# Altium PCB MiroCard.PcbDoc (part 2 of 2)
Units mm, origin at the board's own origin, x right, y up, seen from the top; angles counter-clockwise.
Board outline 65.5 x 35.8 mm, 4 copper layers (Top Layer, GND1, GND2, Bottom Layer), stack 0.552 mm thick; 115 components, 75 nets, 402 pads, 778 vias.
Unrouted connection lines stored in the file: 3.
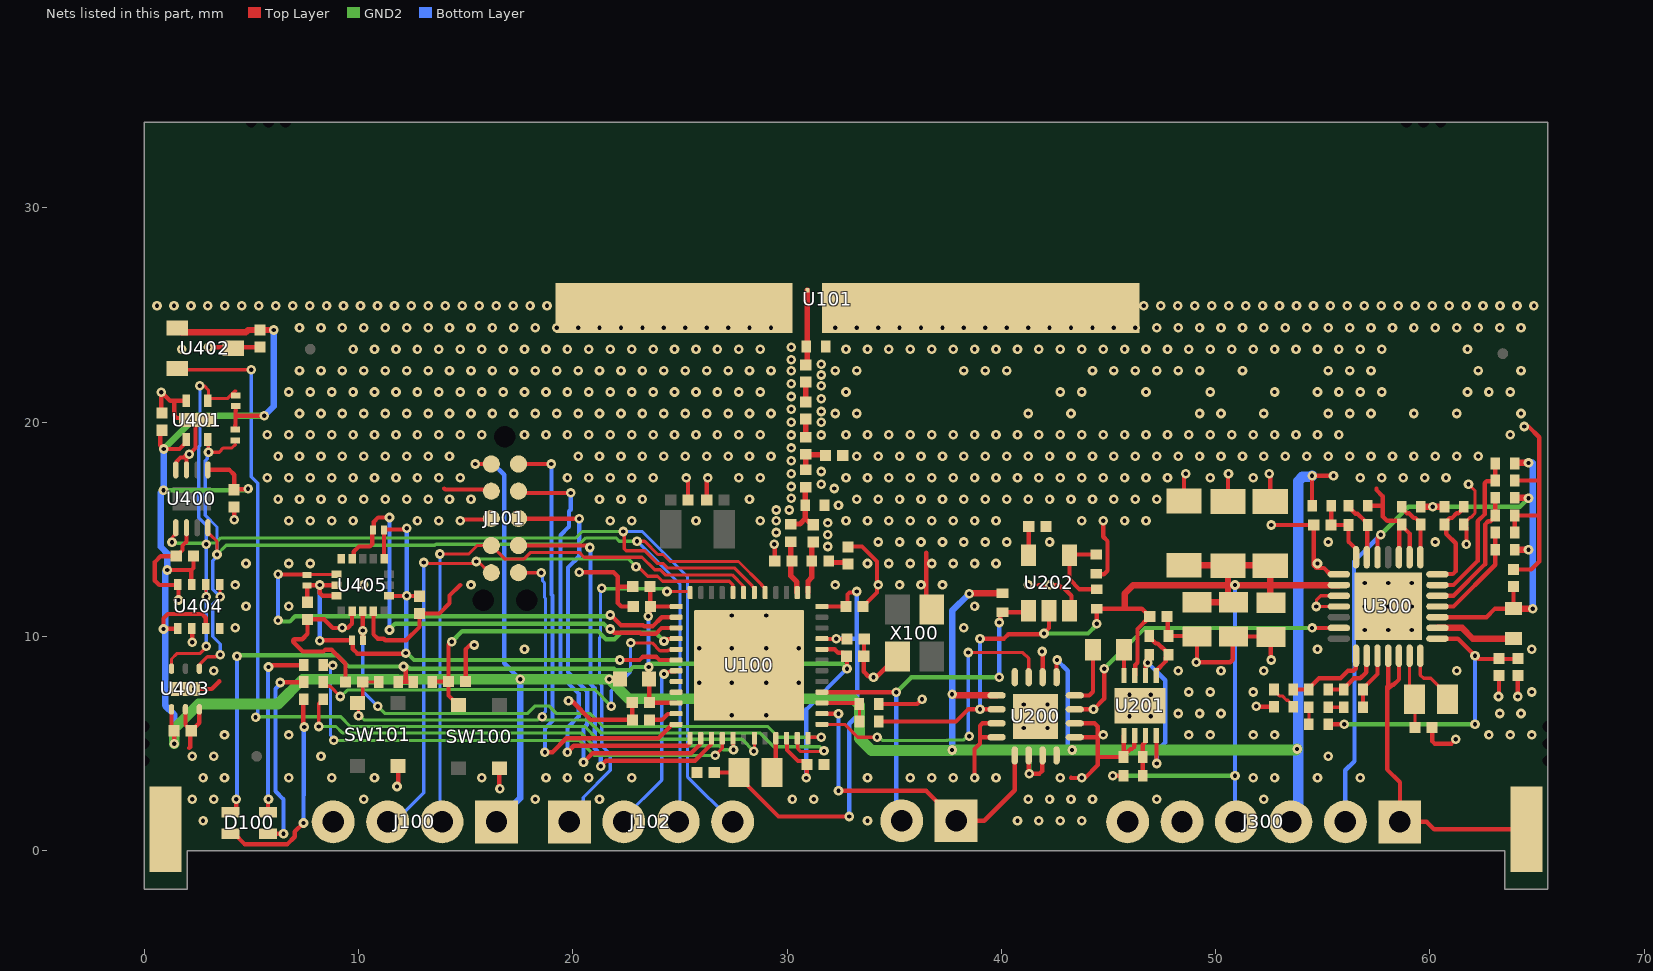
[diagram p4: the nets of this part, all layers, seen from the top]

## Via types
v1: diameter 0.45, hole 0.2, Top Layer to Bottom Layer, tented both sides, 747 vias
v2: diameter 0.5, hole 0.2, Top Layer to Bottom Layer, 31 vias

## Nets (pads, with @x,y where several pads share a name; then routed paths per layer and width w, separated by ;. In a path a pad name is that pad's centre, name@x,y a point inside that pad or via, vN(x,y) a via of type N, cw(c..) or ccw(c..) an arc to the next point about the centre after c; other vN are vias at no path point) (continued)
+2.5V_LDO: C400.1 C401.1 C402.1 C403.1 C404.1 FB100.1 J100.1 J101.1 J300.3 R201.1 R301.1 R400.1 R401.1 U200.2 U200.3 U200.9 U200.13 U400.5 U401.1 U402.1 U403.1 U404.2 U404.6 U404.8 | length 162.7
  Top Layer w0.2: C402.1@0.825,19.625 0.748,19.548 0.748,18.92 v1(0.918,18.75) 1.65,18.75 1.975,19.075 U401.1@1.975,19.2 ; v1(1.082,13.1) 2.2,13.1 ; U403.1@1.275,6.6 1.275,5.675 1.4,5.55 v1(1.4,5) ; U404.8@1.575,10.375 1.563,10.363 0.913,10.363 v1(0.9,10.35) 0.9,10.85 1.1,11.05 2.7,11.05 2.875,10.875 U404.6@2.875,10.375 ; U404.2@2.225,12.425 2.2,12.45 2.2,13.1 ; C404.1@2.3,13.75 2.3,13.2 2.2,13.1 ; U400.5@2.975,17.775 3.975,17.775 4.2,17.55 C400.1@4.2,16.85 4.225,16.875 4.825,16.875 v1(4.85,16.9) ; 4.25,19.85 4.263,19.863 4.263,20.2 ; 4.275,20.55 4.263,20.537 4.263,20.2 ; v1(5.6,20.3) 4.363,20.3 4.263,20.2 ; v1(15.45,18.05) J101.1@16.199,18.05 ; v1(21.7,8) 22.197,8 FB100.1@22.206,8.009 ; U200.2@41.275,4.45 41.275,3.725 41.3,3.7 v1(41.3,3.6) 41.783,3.6 41.908,3.725 41.908,4.433 U200.3@41.925,4.45 ; U200.9@42.575,8.1 42.575,8.875 v1(42.6,8.9) ; R301.1@54.5,16.1 v1(54.5,17.5) v1(55.5,17.5) v1@55.55,17.5
  Top Layer w0.3: U402.1@1.55,24.4 1.75,24.2 4.75,24.2 4.85,24.3 C401.1@5.4,24.3 v1(6.05,24.3) ; v1(37.7,7.3) 37.741,7.3 37.791,7.25 U200.13@39.775,7.25 ; v1(38.5,12) 38.512,12.012 40.038,12.012 R201.1@40.05,12.025
  GND2 w0.2: v1(0.9,16.825) 4.775,16.825 v1(4.85,16.9) ; v1(41.3,3.6) 41.3,4.7
  GND2 w0.3: v1(0.918,18.75) 2.468,20.3 v1(5.6,20.3)
  GND2 w0.5: v1(1.4,5) 1.4,5.7 2.55,6.85 6.25,6.85 7.4,8 11.816,8 11.841,7.975 12.359,7.975 12.384,8 v1(17.55,8) v1(21.7,8) 22.6,7.1 33.081,7.1 33.381,6.8 33.381,5.235 33.941,4.675 34.5,4.675 37.675,4.675 v1(37.7,4.7) 41.3,4.7 v1(43.3,4.7) 53.75,4.7 v1(53.8,4.75)
  Bottom Layer w0.2: v1(15.45,18.05) 16.3,18.05 16.8,17.55 16.8,8.75 v1(17.55,8) ; v1(42.6,8.9) 43.1,8.4 43.1,4.817 43.217,4.7 v1(43.3,4.7)
  Bottom Layer w0.3: v1(0.918,18.75) 0.909,18.741 0.909,16.834 0.775,16.7 0.775,14.183 1.082,13.875 v1(1.082,13.1) 0.975,12.993 0.975,10.35 0.975,6.783 1.4,6.358 v1(1.4,5) ; v1(5.6,20.3) 6.05,20.75 v1(6.05,24.3) ; J100.1@16.44,1.35 17.55,2.46 v1(17.55,8) ; v1(37.7,4.7) v1(37.7,7.3) 37.7,11.2 v1(38.5,12)
  Bottom Layer w0.5: J300.3@53.51,1.35 53.85,1.69 53.85,17.25 54.052,17.452 54.452,17.452 v1(54.5,17.5)
BOOST: C302.1 C303.1 R300.1 U300.1 | length 14.2
  Top Layer w0.2: R300.1@55.25,5.9 v1(56,5.9) ; U300.1@60.35,9.9 61.3,9.9 v1(62.1,9.1) 62.25,8.95 63.225,8.95 64.075,8.95 C303.1@64.1,8.975
  GND2 w0.2: v1(56,5.9) v1(62.1,5.9)
  Bottom Layer w0.2: v1(62.1,5.9) v1(62.1,9.1)
BUTTON: C115.1 R105.2 SW100.2 U100.16 | length 15.2
  Top Layer w0.2: R105.2@13.45,7.875 13.475,7.9 C115.1@14.2,7.9 ; v1(14.35,9.753) 14.317,9.753 14.2,9.636 C115.1@14.2,7.9 ; SW100.2@14.675,6.8 14.65,6.8 14.2,7.25 C115.1@14.2,7.9 ; v1(24.254,9.785) 24.322,9.785 24.417,9.88 24.805,9.88 U100.16@24.825,9.9
  GND2 w0.2: v1(14.35,9.753) 14.847,10.25 21.178,10.25 21.553,9.875 21.947,9.875 22.247,10.175 23.864,10.175 v1(24.254,9.785)
COMP0: J200.1 U100.38 U200.1 | length 15.4
  Top Layer w0.2: U100.38@31.625,6.4 v1(32.4,6.4) ; v1(32.4,2.8) 36.49,2.8 J200.1@37.89,1.4 39.2,1.4 40.625,2.825 U200.1@40.625,4.45
  Bottom Layer w0.2: v1(32.4,2.8) v1(32.4,6.4)
COMP1: J200.2 R201.2 U100.40 U202.1 | length 19
  Top Layer w0.2: U100.40@31.625,7.4 v1(35.1,7.4) ; v1(39.9,10.65) 39.948,10.698 39.948,11.023 R201.2@40.05,11.125 41.2,11.125 U202.1@41.275,11.2
  GND2 w0.2: v1(35.1,7.4) 35.8,8.1 v1(39.9,8.1)
  Bottom Layer w0.2: v1(35.1,7.4) 35.1,1.65 J200.2@35.35,1.4 ; v1(39.9,8.1) v1(39.9,10.65)
DCDC_SW: L100.1 U100.33 | length 1.7
  Top Layer w0.2: L100.1@29.295,3.65 29.475,3.83 U100.33@29.475,5.25
GND: C100.2 C101.2 C102.2 C103.2 C104.2 C105.2 C106.2 C107.2 C108.2 C112.2 C113.2 C114.2 C115.2 C116.2 C117.2 C118.2 C200.1 C201.1 C202.1 C203.2 C204.2 C205.2 C206.2 C207.2 C300.2 C301.2 C302.2 C303.2 C304.2 C400.2 C401.2 C402.2 C403.2 C404.2 C405.2 C406.2 J100.4 J101.2 J101.3 J300.5 J300.6 R100.2 R101.2 R107.2 R205.2 R206.2 R207.2 R304.2 R309.2 R310.2 R316.2 R317.2 R318.2 R319.2 SW100.3 SW101.3 U1.2 U100.49 U101.2 U101.3 U200.4 U200.5 U200.6 U200.10 U200.12 U200.15 U200.16 U200.17 U201.1 U201.2 U201.9 U202.3 U300.9 U300.10 U300.15 U300.17 U300.18 U300.29 U400.2 U400.7 U400.8 U401.4 U402.3 U403.2 U403.3 U403.7 U404.1 U404.5 U404.7 U405.5 U405.10 U405.12 X100.2 X100.4 | length 134.8
  Top Layer w0.15: U300.18@55.75,11.4 v1(54.7,11.4) 54.7,11.7 54.9,11.9 U300.17@55.75,11.9 ; R310.2@61.575,15.225 61.575,15.275 61.85,15.55 61.893,15.55 62.1,15.757 62.1,16.8 v1(61.8,17.1)
  Top Layer w0.2: C402.2@0.825,20.425 0.8,20.45 v1(0.8,21.4) 0.813,21.4 1.213,21 1.4,21 ; U400.8@1.475,17.775 1.485,17.785 1.485,18.133 1.701,18.349 1.849,18.349 v1@1.964,18.464 ; v1(1.6,11.7) 1.6,12.4 U404.1@1.575,12.425 1.55,12.4 0.7,12.4 0.5,12.6 0.5,13.472 0.778,13.75 C404.2@1.5,13.75 1.79,14.04 1.79,14.24 1.975,14.425 U400.2@1.975,15.075 ; U403.2@1.925,6.6 1.925,5.875 C403.2@2.2,5.6 ; U403.7@1.925,7.55 v2(2.325,7.55) 3.15,7.55 3.5,7.9 3.5,7.907 ; U400.7@1.975,17.775 1.975,18.453 v1@1.964,18.464 ; U401.4@1.975,21 1.4,21 ; v1@2.079,18.579 v1@1.964,18.464 ; 2.1,4.8 2.148,4.848 2.148,5.548 C403.2@2.2,5.6 ; v1(2.1,18.5) 2.104,18.5 2.4,18.796 2.4,20.025 U401.4@2.475,20.1 2.375,20.2 1.517,20.2 1.4,20.317 1.4,21 ; U404.7@2.225,10.375 2.238,10.362 2.238,9.737 v1(2.25,9.725) ; U403.3@2.575,6.6 2.575,5.975 C403.2@2.2,5.6 ; v1(3,23.5) 4.1,23.5 U402.3@4.15,23.45 4.2,23.5 C401.2@5.4,23.5 ; v1(4.2,15.45) C400.2@4.2,16.05 ; C118.2@9.4,7.875 9.4,8.725 8.75,9.375 8.447,9.375 8.372,9.3 7.4,9.3 7,9.7 7,9.707 6.948,9.76 6.948,9.823 7,9.875 7.375,9.875 7.625,10.125 C406.2@7.625,10.8 8.4,10.8 8.8,10.4 9.5,10.4 9.7,10.6 U405.10@9.7,11.175 ; U405.12@10.7,11.175 10.7,10.1 10.9,9.9 11.178,9.9 11.253,9.825 12.225,9.825 12.85,10.45 C405.2@12.85,11.075 13.775,11.075 14.251,11.551 14.251,11.908 14.75,12.407 ; v1(11.8,3) 11.85,3.05 SW101.3@11.85,3.95 ; 14,16.907 14.048,16.859 16.12,16.859 J101.2@16.199,16.78 ; v1(14.75,15.407) 14.798,15.455 16.144,15.455 J101.3@16.199,15.51 ; C115.2@15,7.9 15,9.4 15.2,9.6 v1(15.4,9.6) ; SW100.3@16.575,3.85 16.575,2.925 v1(16.6,2.9) ; v1(19.8,7) 19.95,7 20.841,6.109 C114.2@22.781,6.109 22.778,6.112 22.778,6.922 C100.2@22.775,6.925 ; v1(20.3,13) 21.9,13 22.1,12.8 22.1,12.4 ; C104.2@22.8,12.325 22.175,12.325 22.1,12.4 ; C103.2@22.825,11.4 22.265,11.4 22.1,11.565 22.1,12.4 ; v1(25.3,17.4) 25.375,17.325 C117.2@25.375,16.375 ; C116.2@26.25,16.375 26.25,17.35 v1(26.3,17.4) ; v1(29.4,14.3) 29.425,14.275 C113.2@29.425,13.525 ; C108.2@32.85,14.175 32.875,14.2 33.5,14.2 34.2,13.5 34.2,12.05 C107.2@33.55,11.4 ; C106.2@33.6,9.875 33.587,9.862 33.587,9.087 C102.2@33.575,9.075 33.575,8.359 33.786,8.148 33.985,8.148 v1(34.032,8.1) 34.164,8.1 35.139,9.075 X100.2@35.156,9.059 ; R107.2@34.273,6.85 36.075,6.85 v1(36.3,7.075) ; 36.5,13.907 36.5,11.514 X100.4@36.756,11.259 ; v1(38.75,3.407) 38.75,4.75 39,5 39,5.3 ; U200.16@39.775,5.3 39,5.3 ; U200.15@39.775,5.95 39.117,5.95 39,5.833 39,5.3 ; 41.75,12.407 42.693,12.407 42.8,12.3 42.875,12.3 43.275,11.9 43.275,11.3 U202.3@43.175,11.2 ; v1(41.9,9.3) 41.925,9.275 U200.10@41.925,8.1 ; 43.25,3.407 43.257,3.4 43.9,3.4 44.5,4 44.5,4.4 ; U200.5@43.425,5.3 44.5,5.3 ; U200.6@43.425,5.95 44.35,5.95 44.5,5.8 44.5,5.3 ; R207.2@44.425,12.925 44.45,12.9 44.783,12.9 44.95,13.067 44.95,14.45 44.75,14.65 v1(44.75,15.407) ; U201.1@45.725,5.375 45.712,5.362 R205.2@45.712,4.437 ; U201.2@46.225,5.375 46.2,5.35 46.2,4.85 46.1,4.75 46.025,4.75 R205.2@45.712,4.437 ; C206.2@47.725,10.925 47.763,10.887 47.763,10.062 R206.2@47.8,10.025 49.1,10.025 C205.2@49.125,10 49.125,8.825 v1(49.1,8.8) 50.683,8.8 50.8,8.917 50.8,9.975 C204.2@50.825,10 52.55,10 C203.2@52.575,9.975 52.575,8.925 v1(52.6,8.9) ; C200.1@48.525,16.325 48.525,17.525 v1(48.6,17.6) ; C201.1@50.575,16.3 50.575,17.475 50.6,17.5 v1(50.6,17.6) ; v1(51.9,6.75) 51.925,6.725 R319.2@52.725,6.725 ; v1(52.5,17.6) 52.55,17.55 C202.1@52.55,16.3 ; v1(52.6,15.2) C300.2@54.575,15.2 54.575,13.325 54.7,13.2 55.048,13.2 55.348,12.9 U300.15@55.75,12.9 ; R304.2@57.1,16.1 57.8,16.1 ; 57.5,16.907 57.5,16.839 57.8,16.539 57.8,16.1 ; U300.10@58.55,13.7 58.569,13.719 58.569,15.119 R309.2@58.675,15.225 ; U300.9@59.05,13.7 59.05,14.8 58.675,15.175 R309.2@58.675,15.225 ; C301.2@60.1,5.75 60.1,5.117 60.217,5 61,5 v1(61.2,5.2) ; R310.2@61.575,15.225 61.7,15.1 v1(61.7,14.3) ; v1(63.2,7.2) 63.225,7.225 C302.2@63.225,8.175 ; C304.2@63.9,13.125 64.725,13.125 65.1,13.5 65.1,17.3 ; R318.2@63.95,14.85 R317.2@63.95,15.65 65.1,15.65 ; R316.2@63.95,17.275 65.075,17.275 65.1,17.3 ; v1(64.1,7.2) C303.2@64.1,8.175 ; v1(64.4,19.8) 64.6,19.8 65.1,19.3 65.1,17.3 ; 44.5,4.4 44.5,5.3 ; 44.5,4.4 44.525,4.375 R205.2@45.7,4.375 45.7,4.425 R205.2@45.712,4.437 ; 57.8,16.1 57.8,15.6 58,15.4 58.5,15.4 58.55,15.4 58.675,15.275 R309.2@58.675,15.225
  other v1: 2.75,1.407 33.75,1.407 40.75,1.407 41.75,1.407 42.75,1.407 43.75,1.407 2.25,2.407 3.25,2.407 10.25,2.407 18.25,2.407 21.25,2.407 30.25,2.407 31.25,2.407 41.25,2.407 42.25,2.407 43.25,2.407 44.25,2.407 47.25,2.407 52.25,2.407 2.75,3.407 3.75,3.407 6.75,3.407 8.75,3.407 10.75,3.407 15.75,3.407 18.75,3.407 19.75,3.407 20.75,3.407 22.75,3.407 33.75,3.407 35.75,3.407 36.75,3.407 37.75,3.407 39.75,3.407 42.75,3.407 43.75,3.407 51.75,3.407 52.75,3.407 54.75,3.407 56.75,3.407 2.25,4.407 3.25,4.407 8.25,4.407 55.25,4.407 3.75,5.407 6.75,5.407 44.75,5.407 48.75,5.407 49.75,5.407 51.75,5.407 52.75,5.407 62.75,5.407 63.75,5.407 64.75,5.407 48.25,6.407 49.25,6.407 50.25,6.407 63.25,6.407 64.25,6.407 48.75,7.407 49.75,7.407 51.75,7.407 64.75,7.407 3.25,8.407 48.25,8.407 50.25,8.407 52.25,8.407 61.25,8.407 17.75,9.407 54.75,9.407 64.75,9.407 4.25,10.407 9.25,10.407 38.25,10.407 4.75,11.407 6.75,11.407 38.75,11.407 4.25,12.407 10.25,12.407 15.25,12.407 32.25,12.407 34.25,12.407 35.25,12.407 36.25,12.407 37.25,12.407 41.25,12.407 42.25,12.407 4.75,13.407 6.75,13.407 7.75,13.407 33.75,13.407 34.75,13.407 35.75,13.407 36.75,13.407 37.75,13.407 38.75,13.407 39.75,13.407 54.75,13.407 31.9,14.2 34.25,14.407 35.25,14.407 36.25,14.407 37.25,14.407 38.25,14.407 39.25,14.407 40.25,14.407 42.25,14.407 55.25,14.407 60.25,14.407 31.9,14.75 29.5,14.85 31.9,15.3 6.75,15.407 7.75,15.407 8.75,15.407 9.75,15.407 12.75,15.407 13.75,15.407 21.75,15.407 22.75,15.407 25.75,15.407 28.75,15.407 29.5,15.4 32.75,15.407 33.75,15.407 34.75,15.407 35.75,15.407 36.75,15.407 37.75,15.407 38.75,15.407 39.75,15.407 43.75,15.407 45.75,15.407 46.75,15.407 29.5,15.9 30.1,15.9 32.4,16.125 6.25,16.407 7.25,16.407 8.25,16.407 9.25,16.407 10.25,16.407 11.25,16.407 12.25,16.407 13.25,16.407 14.25,16.407 15.25,16.407 21.25,16.407 22.25,16.407 23.25,16.407 28.25,16.407 33.25,16.407 34.25,16.407 35.25,16.407 36.25,16.407 37.25,16.407 38.25,16.407 39.25,16.407 40.25,16.407 41.25,16.407 42.25,16.407 43.25,16.407 44.25,16.407 45.25,16.407 46.25,16.407 47.25,16.407 30.2,16.45 32.2,16.907 30.2,17 31.6,17.1 5.75,17.407 6.75,17.407 7.75,17.407 8.75,17.407 9.75,17.407 10.75,17.407 11.75,17.407 12.75,17.407 13.75,17.407 14.75,17.407 19.75,17.407 20.75,17.407 21.75,17.407 22.75,17.407 23.75,17.407 27.75,17.407 28.75,17.407 32.75,17.407 33.75,17.407 34.75,17.407 35.75,17.407 36.75,17.407 37.75,17.407 38.75,17.407 39.75,17.407 40.75,17.407 41.75,17.407 42.75,17.407 43.75,17.407 44.75,17.407 45.75,17.407 46.75,17.407 47.75,17.407 49.75,17.407 51.75,17.407 56.75,17.407 57.75,17.407 58.75,17.407 59.75,17.407 60.75,17.407 30.2,17.6 31.6,17.7 30.2,18.2 6.25,18.407 7.25,18.407 8.25,18.407 9.25,18.407 10.25,18.407 11.25,18.407 12.25,18.407 13.25,18.407 14.25,18.407 20.25,18.407 21.25,18.407 22.25,18.407 23.25,18.407 24.25,18.407 25.25,18.407 26.25,18.407 27.25,18.407 28.25,18.407 29.25,18.407 33.25,18.407 34.25,18.407 35.25,18.407 36.25,18.407 37.25,18.407 38.25,18.407 39.25,18.407 40.25,18.407 41.25,18.407 42.25,18.407 43.25,18.407 44.25,18.407 45.25,18.407 46.25,18.407 47.25,18.407 48.25,18.407 49.25,18.407 50.25,18.407 51.25,18.407 52.25,18.407 53.25,18.407 54.25,18.407 55.25,18.407 56.25,18.407 57.25,18.407 58.25,18.407 59.25,18.407 60.25,18.407 61.25,18.407 62.25,18.407 30.2,18.8 5.75,19.407 6.75,19.407 7.75,19.407 8.75,19.407 9.75,19.407 10.75,19.407 11.75,19.407 12.75,19.407 13.75,19.407 14.75,19.407 15.75,19.407 17.75,19.407 18.75,19.407 19.75,19.407 20.75,19.407 21.75,19.407 22.75,19.407 23.75,19.407 24.75,19.407 25.75,19.407 26.75,19.407 27.75,19.407 28.75,19.407 30.2,19.4 31.6,19.4 32.75,19.407 33.75,19.407 34.75,19.407 35.75,19.407 36.75,19.407 37.75,19.407 38.75,19.407 39.75,19.407 40.75,19.407 41.75,19.407 42.75,19.407 43.75,19.407 44.75,19.407 45.75,19.407 46.75,19.407 47.75,19.407 48.75,19.407 49.75,19.407 50.75,19.407 51.75,19.407 52.75,19.407 53.75,19.407 54.75,19.407 55.75,19.407 63.75,19.407 30.2,20 31.6,20 7.25,20.407 8.25,20.407 9.25,20.407 10.25,20.407 11.25,20.407 12.25,20.407 13.25,20.407 14.25,20.407 15.25,20.407 16.25,20.407 17.25,20.407 18.25,20.407 19.25,20.407 20.25,20.407 21.25,20.407 22.25,20.407 23.25,20.407 24.25,20.407 25.25,20.407 26.25,20.407 27.25,20.407 28.25,20.407 29.25,20.407 32.25,20.407 33.25,20.407 41.25,20.407 43.25,20.407 49.25,20.407 50.25,20.407 52.25,20.407 55.25,20.407 56.25,20.407 57.25,20.407 59.25,20.407 61.25,20.407 64.25,20.407 31.6,20.5 30.2,20.6 31.6,21.1 30.2,21.2 6.75,21.407 7.75,21.407 8.75,21.407 9.75,21.407 10.75,21.407 11.75,21.407 12.75,21.407 13.75,21.407 14.75,21.407 15.75,21.407 16.75,21.407 17.75,21.407 18.75,21.407 19.75,21.407 20.75,21.407 21.75,21.407 22.75,21.407 23.75,21.407 24.75,21.407 25.75,21.407 26.75,21.407 27.75,21.407 28.75,21.407 32.75,21.407 42.75,21.407 43.75,21.407 46.75,21.407 49.75,21.407 52.75,21.407 54.75,21.407 55.75,21.407 56.75,21.407 57.75,21.407 61.75,21.407 62.75,21.407 63.75,21.407 31.6,21.7 30.2,21.8 31.6,22.2 7.25,22.407 8.25,22.407 9.25,22.407 10.25,22.407 11.25,22.407 12.25,22.407 13.25,22.407 14.25,22.407 15.25,22.407 16.25,22.407 17.25,22.407 18.25,22.407 19.25,22.407 20.25,22.407 21.25,22.407 22.25,22.407 23.25,22.407 24.25,22.407 25.25,22.407 26.25,22.407 27.25,22.407 28.25,22.407 29.25,22.407 30.2,22.4 32.25,22.407 33.25,22.407 38.25,22.407 39.25,22.407 40.25,22.407 44.25,22.407 45.25,22.407 46.25,22.407 47.25,22.407 48.25,22.407 49.25,22.407 51.25,22.407 55.25,22.407 56.25,22.407 57.25,22.407 62.25,22.407 64.25,22.407 31.6,22.7 30.2,22.907 1.75,23.407 9.75,23.407 10.75,23.407 11.75,23.407 12.75,23.407 13.75,23.407 14.75,23.407 15.75,23.407 16.75,23.407 17.75,23.407 18.75,23.407 19.75,23.407 20.75,23.407 21.75,23.407 22.75,23.407 23.75,23.407 24.75,23.407 25.75,23.407 26.75,23.407 27.75,23.407 28.75,23.407 32.75,23.407 33.75,23.407 34.75,23.407 35.75,23.407 36.75,23.407 37.75,23.407 38.75,23.407 39.75,23.407 40.75,23.407 41.75,23.407 42.75,23.407 43.75,23.407 44.75,23.407 45.75,23.407 46.75,23.407 47.75,23.407 48.75,23.407 49.75,23.407 50.75,23.407 51.75,23.407 52.75,23.407 53.75,23.407 54.75,23.407 55.75,23.407 56.75,23.407 57.75,23.407 61.75,23.407 30.2,23.5 7.25,24.407 8.25,24.407 9.25,24.407 10.25,24.407 11.25,24.407 12.25,24.407 13.25,24.407 14.25,24.407 15.25,24.407 16.25,24.407 17.25,24.407 18.25,24.407 19.25,24.407 20.25,24.407 21.25,24.407 22.25,24.407 23.25,24.407 24.25,24.407 25.25,24.407 26.25,24.407 27.25,24.407 28.25,24.407 29.25,24.407 32.25,24.407 33.25,24.407 34.25,24.407 35.25,24.407 36.25,24.407 37.25,24.407 38.25,24.407 39.25,24.407 40.25,24.407 41.25,24.407 42.25,24.407 43.25,24.407 44.25,24.407 45.25,24.407 46.25,24.407 47.25,24.407 48.25,24.407 49.25,24.407 50.25,24.407 51.25,24.407 52.25,24.407 53.25,24.407 54.25,24.407 55.25,24.407 56.25,24.407 57.25,24.407 58.25,24.407 59.25,24.407 60.25,24.407 61.25,24.407 62.25,24.407 63.25,24.407 64.25,24.407 0.6,25.427 1.391,25.427 2.183,25.427 2.974,25.427 3.765,25.427 4.557,25.427 5.348,25.427 6.139,25.427 6.93,25.427 7.722,25.427 8.513,25.427 9.304,25.427 10.096,25.427 10.887,25.427 11.678,25.427 12.47,25.427 13.261,25.427 14.052,25.427 14.843,25.427 15.635,25.427 16.426,25.427 17.217,25.427 18.009,25.427 18.8,25.427 46.65,25.427 47.441,25.427 48.233,25.427 49.024,25.427 49.815,25.427 50.607,25.427 51.398,25.427 52.189,25.427 52.98,25.427 53.772,25.427 54.563,25.427 55.354,25.427 56.146,25.427 56.937,25.427 57.728,25.427 58.52,25.427 59.311,25.427 60.102,25.427 60.893,25.427 61.685,25.427 62.476,25.427 63.267,25.427 64.059,25.427 64.85,25.427
  other v2: 41.05,5.725 42.15,5.725 45.975,6.275 46.975,6.275 27.421,6.325 29.028,6.325 41.05,6.825 42.15,6.825 45.975,7.275 46.975,7.275 1.525,7.55 25.9,7.846 27.421,7.846 29.028,7.846 30.55,7.846 25.9,9.453 27.421,9.453 29.028,9.453 30.55,9.453 56.95,10.3 58.05,10.3 59.15,10.3 27.421,10.975 29.028,10.975 56.95,11.4 58.05,11.4 59.15,11.4 56.95,12.5 58.05,12.5 59.15,12.5
GPIO_1: J102.1 U100.12 | length 16.2
  Top Layer w0.15: v1(24.4,12.1) 25.43,12.1 25.475,12.055 U100.12@25.475,12.05
  GND2 w0.15: v1(21.35,12.25) 21.375,12.225 24.312,12.225 24.4,12.137 v1(24.4,12.1)
  Bottom Layer w0.15: J102.1@19.84,1.35 20.487,1.997 20.487,2.487 21.75,3.75 21.75,4.51 21.35,4.91 21.35,7.714 21.25,7.814 21.25,9.941 21.3,9.991 21.3,12.2 v1(21.35,12.25)
GPIO_2: J102.2 U100.19 | length 8.4
  Top Layer w0.15: v1(24.256,8.25) 24.337,8.25 24.442,8.355 24.78,8.355 U100.19@24.825,8.4
  Bottom Layer w0.15: J102.2@22.38,1.35 22.38,1.53 24.15,3.3 v1@24.15,8.25 ; v1@24.15,8.35 24.25,8.25 v1(24.256,8.25)
GPIO_3: U100.20
GPIO_4: U100.21
HVOUT: C300.1 R301.2 R303.1 U300.14 | length 3.4
  Top Layer w0.2: R301.2@55.4,16.1 55.387,16.087 55.387,15.212 C300.1@55.375,15.2 R303.1@56.2,15.2 56.2,14.425 56.55,14.075 U300.14@56.55,13.7
JTAG_TCK: J101.9 U100.25 | length 21.1
  Top Layer w0.15: v1@19.8,16.7 v1(19.9,16.7)
  Top Layer w0.2: J101.9@17.549,16.7 v1@19.8,16.7 ; v1(19.75,4.6) 20.05,4.9 25.35,4.9 U100.25@25.45,5
  Bottom Layer w0.2: v1(19.75,4.6) 19.75,5.741 20.275,6.266 20.275,7.339 19.425,8.189 19.425,14.725 19.825,15.125 19.825,15.841 19.9,15.916 v1(19.9,16.7)
JTAG_TDI: J101.7 U100.27 | length 19.7
  Top Layer w0.2: J101.7@17.469,14.245 17.471,14.248 20.702,14.248 v1(20.8,14.15) ; v1(21.3,3.95) 21.55,4.2 25.7,4.2 26.455,4.955 26.455,5.23 U100.27@26.475,5.25
  Bottom Layer w0.2: v1(20.8,14.15) 20.825,14.125 20.825,7.779 21.025,7.579 21.025,4.775 21.3,4.5 v1(21.3,3.95)
JTAG_TDO: J101.8 U100.26 | length 21
  Top Layer w0.2: J101.8@17.469,15.51 17.479,15.5 v1(20.3,15.5) ; v1(20.5,4.125) 20.925,4.55 25.519,4.55 25.955,4.986 25.955,5.23 U100.26@25.975,5.25
  Bottom Layer w0.2: v1(20.3,15.5) 20.3,13.742 19.775,13.217 19.775,8.334 20.675,7.434 20.675,5.901 20.5,5.726 v1(20.5,4.125)
JTAG_TMS: J101.10 U100.24 | length 21.8
  Top Layer w0.2: J101.10@17.469,18.05 v1(19,18.05) ; v1(18.7,4.6) 19.05,4.6 19.7,5.25 23.995,5.25 24.645,5.9 U100.24@24.825,5.9
  Bottom Layer w0.2: v1(18.7,4.6) 18.7,5.703 19.05,6.053 19.05,11.913 19.007,11.956 19.007,18.043 v1(19,18.05)
LED_BLUE: R104.2 U100.29 | length 21.7
  Top Layer w0.15: v1(8.15,5.8) 8.15,6.875 R104.2@8.35,7.075 ; U100.29@27.475,5.25 27.487,5.237 27.487,4.722 v1(27.5,4.71)
  GND2 w0.15: v1(8.15,5.8) 8.95,5.8 9.25,5.5 20.374,5.5 20.974,4.9 26.836,4.9 27.026,4.71 v1(27.5,4.71)
LED_GREEN: R103.2 U100.17 | length 19.8
  Top Layer w0.15: R103.2@8.35,7.875 8.35,7.825 8.5,7.675 8.675,7.675 v1(9.15,7.2) ; v1(22.7,9.7) 23.703,9.7 24.068,9.335 24.44,9.335 24.46,9.355 24.78,9.355 U100.17@24.825,9.4
  GND2 w0.15: v1(9.15,7.2) 9.186,7.2 9.486,7.5 10.825,7.5 13.746,7.5 13.771,7.525 21.025,7.525 v1(21.8,6.75)
  Bottom Layer w0.15: v1(21.8,6.75) 21.8,7.464 22.7,8.364 v1(22.7,9.7)
LED_RED: R102.2 U100.28 | length 23.1
  Top Layer w0.15: R102.2@8.35,8.675 8.375,8.65 v1(8.8,8.65) ; v1(26.65,4.45) 26.975,4.775 U100.28@26.975,5.25
  GND2 w0.15: v1(8.85,5.15) 20.3,5.15 21,4.45 v1(26.65,4.45)
  Bottom Layer w0.15: v1(8.8,8.65) 8.8,8.569 8.7,8.469 8.7,5.381 8.85,5.231 v1(8.85,5.15)
MPU_VDD: C405.1 C406.1 R402.1 R403.1 R404.1 U100.18 U405.1 U405.7 U405.8 U405.14 | length 33
  Top Layer w0.2: C406.1@7.625,11.6 7.613,11.613 7.613,12.358 R403.1@7.6,12.37 7.615,12.385 8.96,12.385 U405.7@8.975,12.4 ; v1(8.2,9.8) 8.225,9.825 R404.1@9.695,9.825 9.735,9.785 9.735,9.415 9.95,9.2 12.175,9.2 v1(12.2,9.225) ; v1@8.2,12.297 8.2,12.017 8.317,11.9 U405.8@8.975,11.9 ; U405.1@11.2,13.625 11.19,13.635 11.19,14.965 R402.1@11.18,14.975 11.193,14.988 12.188,14.988 v1(12.25,15.05) ; U405.14@11.425,11.9 11.438,11.888 12.838,11.888 C405.1@12.85,11.875 ; v1(22.2,8.9) 23.114,8.9 23.264,9.05 23.893,9.05 24.043,8.9 U100.18@24.825,8.9
  GND2 w0.2: v1(12.2,9.225) 12.268,9.225 12.593,8.9 v1(22.2,8.9)
  Bottom Layer w0.2: v1(8.2,9.8) v1(8.2,12.4) ; v1(12.2,9.225) 12.225,9.25 12.225,11.875 v1(12.25,11.9) v1(12.25,15.05)
NetC108_1: C108.1 L101.2 | length 1
  Top Layer w0.25: L101.2@31.955,13.525 32.03,13.45 32.775,13.45 C108.1@32.85,13.375
NetC109_1: C109.1 L102.1 L104.2 R100.1 | length 2.8
  Top Layer w0.25: L104.2@30.175,15.23 30.195,15.25 30.6,15.25 30.85,15.5 ; L102.1@30.875,16.97 30.85,16.945 30.85,15.5 ; C109.1@31.225,15.125 30.85,15.5
NetC109_2: C109.2 L101.1 U100.1 | length 2.4
  Top Layer w0.25: U100.1@30.975,12.05 30.975,12.575 31.15,12.75 31.15,13.525 31.15,14.25 C109.2@31.225,14.325
NetC110_1: C110.1 L103.2 | length 0.8
  Top Layer w0.25: L103.2@30.875,19.305 C110.1@30.875,20.15
NetC110_2: C110.2 C111.2 | length 0.9
  Top Layer w0.25: C110.2@30.875,20.95 C111.2@30.875,21.875
NetC111_1: C111.1 R101.1 U101.1 | length 3.5
  Top Layer w0.25: C111.1@30.875,22.675 30.95,22.75 U101.1@30.95,26.15
NetC112_1: C112.1 L102.2 L103.1 | length 1.7
  Top Layer w0.25: L102.2@30.875,17.78 L103.1@30.875,18.495 30.897,18.472 31.777,18.472 C112.1@31.8,18.45
NetC113_1: C113.1 L104.1 U100.2 | length 2.5
  Top Layer w0.25: L104.1@30.175,14.42 30.175,13.525 30.175,12.825 30.455,12.545 30.455,12.07 U100.2@30.475,12.05
NetC114_1: C114.1 U100.23 | length 1.4
  Top Layer w0.2: C114.1@23.581,6.109 24.159,6.109 24.43,6.38 24.805,6.38 U100.23@24.825,6.4
NetC207_1: C207.1 U202.5 | length 1.3
  Top Layer w0.2: U202.5@41.275,13.8 C207.1@41.275,15.125
NetC301_1: C301.1 L300.2 U300.27 | length 3.5
  Top Layer w0.15: U300.27@59.05,9.1 59.05,7.305 L300.2@59.28,7.075 59.3,7.055 C301.1@59.3,5.75
NetD100_2: D100.2 R102.1 | length 8.5
  Top Layer w0.2: D100.2@5.775,1.8 5.775,2.375 v1(5.8,2.4) ; v1(5.8,8.575) 5.888,8.663 7.438,8.663 R102.1@7.45,8.675
  Bottom Layer w0.2: v1(5.8,2.4) 5.775,2.425 5.775,4.425 5.775,8.55 v1(5.8,8.575)
NetD100_3: D100.3 R103.1 | length 9.1
  Top Layer w0.2: D100.3@5.775,0.8 v1(6.5,0.8) ; v1(6.35,7.85) 6.363,7.863 7.438,7.863 R103.1@7.45,7.875
  Bottom Layer w0.2: v1(6.35,7.85) 6.35,7.782 6.125,7.557 6.125,2.775 6.5,2.4 v1(6.5,0.8)
NetD100_4: D100.4 R104.1 | length 13.1
  Top Layer w0.2: D100.4@4.025,0.8 4.2,0.8 4.7,0.3 6.672,0.3 7.031,0.659 7.031,0.893 v1(7.438,1.3) ; R104.1@7.45,7.075 7.425,7.05 7.425,5.825 v1(7.475,5.775)
  Bottom Layer w0.2: v1(7.438,1.3) 7.438,5.738 v1@7.45,5.75 ; 7.45,2.6 v1@7.45,5.75 ; v1(7.475,5.775) v1@7.45,5.75
NetL300_1: L300.1 U300.28 | length 2.8
  Top Layer w0.15: U300.28@59.55,9.1 59.55,8.2 59.7,8.05 60.045,8.05 60.82,7.275 L300.1@60.82,7.075
NetL301_1: L301.1 U300.2 | length 3.8
  Top Layer w0.3: U300.2@60.35,10.4 61.5,10.4 62,9.9 L301.1@63.9,9.9
NetR200_1: R200.1 U201.4 U201.6 | length 7.3
  Top Layer w0.2: U201.6@46.725,8.175 46.725,8.85 46.795,8.78 v1(46.825,8.78) ; U201.4@47.225,5.375 47.238,5.362 47.238,4.088 v1(47.25,4.075)
  Bottom Layer w0.2: v1(46.825,8.78) 47.65,7.955 47.65,5.05 47.25,4.65 v1(47.25,4.075)
NetR200_2: R200.2 R206.1 U201.5 | length 2.5
  Top Layer w0.2: R206.1@46.9,10.025 46.9,9.975 47.2,9.675 47.296,9.675 47.471,9.5 47.5,9.5 47.8,9.2 R200.2@47.8,9.15 47.675,9.025 47.675,8.85 47.225,8.4 U201.5@47.225,8.175
NetR202_2: R202.2 R205.1 U201.3 | length 1.9
  Top Layer w0.2: R202.2@46.6,3.5 R205.1@46.6,4.375 46.6,4.95 46.7,5.05 46.7,5.35 U201.3@46.725,5.375
NetR203_2: R203.2 R207.1 U202.4 | length 3.9
  Top Layer w0.2: R207.1@44.425,13.825 43.2,13.825 U202.4@43.175,13.8 43.175,12.675 43.65,12.2 R203.2@44.45,12.2
NetR204_2: R204.2 U201.8 | length 1.2
  Top Layer w0.2: U201.8@45.725,8.175 R204.2@45.725,9.375
NetR300_2: R300.2 R302.1 | length 0.8
  Top Layer w0.15: R300.2@54.35,5.9 R302.1@54.35,6.7
NetR302_2: R302.2 R305.1 | length 0.7
  Top Layer w0.15: R302.2@55.25,6.7 R305.1@55.975,6.7
NetR303_2: R303.2 R304.1 U300.13 | length 2.8
  Top Layer w0.2: R304.1@56.2,16.1 56.2,16.05 56.525,15.725 56.621,15.725 56.771,15.575 56.775,15.575 57.069,15.281 57.069,13.719 U300.13@57.05,13.7
NetR306_2: R306.2 R309.1 U300.8 | length 2.8
  Top Layer w0.2: R306.2@58.675,16.05 58.675,16 58.925,15.75 59.021,15.75 59.246,15.525 59.325,15.525 59.575,15.275 R309.1@59.575,15.225 59.562,15.212 59.562,13.712 U300.8@59.55,13.7
NetR307_2: R307.2 R310.1 U300.7 | length 4.6
  Top Layer w0.2: U300.7@60.35,12.9 60.369,12.919 61.069,12.919 61.2,13.05 61.2,14.35 60.762,14.788 60.762,15.138 R310.1@60.675,15.225 60.675,15.275 60.925,15.525 61.025,15.525 61.148,15.648 61.148,15.652 61.246,15.75 61.325,15.75 61.575,16 R307.2@61.575,16.05
NetR311_2: R311.2 R316.1 U300.6 | length 7.5
  Top Layer w0.2: U300.6@60.35,12.4 61.1,12.4 62.225,13.525 62.225,15.374 62.55,15.699 62.55,17.15 62.65,17.25 63.025,17.25 R316.1@63.05,17.275 R311.2@63.05,18.075
NetR312_2: R312.2 R317.1 U300.5 | length 6
  Top Layer w0.2: U300.5@60.35,11.9 61.1,11.9 62.575,13.375 62.575,15.229 62.721,15.375 62.825,15.375 R317.1@62.975,15.525 ; R317.1@63.05,15.65 R312.2@63.05,16.475
NetR313_2: R313.2 R318.1 U300.4 | length 5
  Top Layer w0.2: U300.4@60.35,11.4 61.1,11.4 63.05,13.35 R313.2@63.05,14.05 R318.1@63.05,14.85
NetR315_2: R315.2 R319.1 | length 1.3
  Top Layer w0.15: R315.2@52.725,7.525 52.725,7.475 52.975,7.225 53.107,7.225 53.307,7.025 53.375,7.025 53.625,6.775 R319.1@53.625,6.725
NetR402_2: R402.2 U100.15 U405.4 | length 22.3
  Top Layer w0.2: U405.4@9.7,13.625 9.775,13.7 9.775,13.954 10.021,14.2 10.533,14.2 10.65,14.317 10.65,14.955 R402.2@10.67,14.975 10.71,15.015 10.71,15.343 10.917,15.55 v1(11.45,15.55) ; v1(21.75,10.35) 21.925,10.175 23.133,10.175 23.185,10.123 23.868,10.123 24.145,10.4 U100.15@24.825,10.4
  GND2 w0.2: v1(11.45,10.3) 11.45,10.333 11.717,10.6 21.432,10.6 21.682,10.35 v1(21.75,10.35)
  Bottom Layer w0.2: v1(11.45,10.3) v1(11.45,15.55)
NetR403_2: R403.2 U100.14 U405.6 | length 24
  Top Layer w0.15: R403.2@7.6,12.88 7.61,12.89 8.965,12.89 U405.6@8.975,12.9
  Top Layer w0.2: v1(6.25,12.9) 6.26,12.89 7.59,12.89 R403.2@7.6,12.88 ; v1(21.75,11) 21.772,11 22.247,10.525 23.278,10.525 23.33,10.473 23.723,10.473 24.15,10.9 U100.14@24.825,10.9
  GND2 w0.2: v1(6.25,10.75) 6.298,10.702 6.573,10.702 6.575,10.7 6.8,10.7 7.05,10.95 21.632,10.95 21.682,11 v1(21.75,11)
  Bottom Layer w0.2: v1(6.25,10.75) v1(6.25,12.9)
NetR404_2: R404.2 U100.36 U405.11 | length 27.4
  Top Layer w0.15: U100.36@30.975,5.25 30.975,5.255 31.02,5.3 v1(31.6,5.3)
  Top Layer w0.2: U405.11@10.2,11.175 10.203,11.173 v1(10.203,10.275) 10.203,9.828 R404.2@10.205,9.825
  GND2 w0.15: v1(10.9,6.75) 11.25,6.4 17.875,6.4 18.225,6.75 18.9,6.75 19.25,6.4 20.824,6.4 21.424,5.8 29.1,5.8 29.6,5.3 v1(31.6,5.3)
  Bottom Layer w0.15: v1(10.203,10.275) 10.203,7.447 v1(10.9,6.75)
NetU100_31: U100.31 U402.2 | length 44.4
  Top Layer w0.15: U402.2@1.55,22.5 1.6,22.45 v1(5,22.45) ; v1(28.45,4.65) 28.475,4.675 U100.31@28.475,5.25
  GND2 w0.15: v1(5.2,6.225) 5.225,6.25 9.175,6.25 9.625,5.8 20.55,5.8 21.15,5.2 27.9,5.2 v1(28.45,4.65)
  Bottom Layer w0.15: v1(5,22.45) 5,17.45 5.3,17.15 5.3,6.35 5.2,6.25 v1(5.2,6.225)
NetU100_37: U100.37 U200.11 | length 15
  Top Layer w0.15: U100.37@31.625,5.9 31.629,5.896 32.7,5.896 33.296,5.3 v1(34.2,5.3) ; v1(38.45,9.25) 41,9.25 41.275,8.975 U200.11@41.275,8.1
  GND2 w0.15: v1(34.2,5.3) 34.257,5.243 34.357,5.243 34.45,5.15 34.697,5.15 ; 34.697,5.15 37.478,5.15 37.503,5.175 38.244,5.175 38.419,5.35 v1(38.5,5.35)
  Bottom Layer w0.15: v1(38.45,9.25) 38.45,5.4 v1(38.5,5.35)
NetU200_7: U200.7 U300.20 | length 14.7
  Top Layer w0.2: U200.7@43.425,6.6 v1(44.3,6.6) 44.8,7.1 v1(44.8,8.5) ; v1(54.5,10.4) U300.20@55.75,10.4
  GND2 w0.2: v1(44.8,8.5) 46.7,10.4 v1(54.5,10.4)
RESET_N: C118.1 J101.6 R108.2 SW101.2 U100.35 | length 34.7
  Top Layer w0.15: v1(10,6.3) 10,6.85 SW101.2@9.95,6.9 10.2,7.15 C118.1@10.2,7.875 R108.2@10.95,7.875 ; J101.6@17.469,12.975 17.472,12.972 18.528,12.972 v1(18.532,12.968) ; U100.35@30.475,5.25 30.5,5.225 30.5,4.768 30.638,4.63 31.695,4.63 v1(31.725,4.66)
  GND2 w0.15: v1(10,6.3) 10.081,6.3 10.281,6.1 18.344,6.1 18.494,6.25 v1(18.575,6.25) 18.575,6.213 18.688,6.1 20.7,6.1 21.3,5.5 28.725,5.5 29.375,4.85 31.535,4.85 v1(31.725,4.66)
  Bottom Layer w0.15: v1(18.532,12.968) 18.589,12.911 18.589,12.593 18.682,12.5 18.682,11.822 18.725,11.778 18.725,6.481 18.575,6.331 v1(18.575,6.25)
SCL: J102.3 R401.2 U100.5 U400.4 U401.2 U403.4 U404.4 | length 56.2
  Top Layer w0.15: U403.4@2.575,8.5 2.575,8.652 2.625,8.702 2.625,8.725 2.95,9.05 3.342,9.05 ; U400.4@2.975,14.827 3.052,14.75 3.086,14.75 3.4,14.436 v1(3.4,13.825) ; U401.2@2.975,19.2 2.987,19.188 2.987,18.613 v1(3,18.6) 3.5,18.6 3.7,18.8 4.1,18.8 4.25,18.95 ; U404.4@3.525,12.425 3.538,12.412 3.538,11.862 v1(3.55,11.85) ; v1(23,14.45) 23.003,14.447 23.353,14.447 23.975,13.825 24.211,13.825 24.536,13.5 27.734,13.5 28.82,12.414 28.82,12.385 28.975,12.23 U100.5@28.975,12.05
  GND2 w0.15: v1(3.4,13.825) 3.834,14.259 13.572,14.259 13.614,14.3 13.986,14.3 20.314,14.3 20.614,14.6 22.017,14.6 22.17,14.447 v1@23,14.447
  Bottom Layer w0.15: v1(3,18.6) 2.943,18.543 2.943,18.293 2.85,18.2 2.85,15.658 3.4,15.108 v1(3.4,13.825) 3.4,13.744 3.2,13.544 3.2,12.2 v1(3.55,11.85) 3.2,11.5 3.2,10 3.55,9.65 v1(3.55,9.15) ; v1(23,14.45) 25,12.45 25,1.43 J102.3@24.92,1.35
SDA: J102.4 R400.2 U100.6 U400.1 U401.3 U403.6 U404.3 | length 63.5
  Top Layer w0.15: v1@1.232,14.548 1.475,14.79 U400.1@1.475,15.075 ; U403.6@1.275,8.5 1.275,8.95 1.525,9.2 2.6,9.2 2.9,9.5 v1(2.9,9.55) ; 2.825,21.675 3,21.5 U401.3@3,21.025 ; U404.3@2.875,12.425 2.887,12.412 2.887,11.862 v1(2.9,11.85) ; U401.3@2.975,21 U401.3@3,21.025 ; 4.275,21.45 4.225,21.45 3.875,21.1 3.075,21.1 U401.3@3,21.025 ; v1(22.357,14.897) 22.4,14.853 22.4,14.088 22.488,14 23.357,14 23.947,13.41 24.202,13.41 24.412,13.2 27.534,13.2 28.32,12.414 28.43,12.304 28.43,12.095 U100.6@28.475,12.05
  GND2 w0.15: v1(1.3,14.4) 1.35,14.35 2.85,14.35 v1(2.9,14.3) 2.957,14.357 3.339,14.357 3.581,14.6 20.15,14.6 20.45,14.9 22.353,14.9 v1(22.357,14.897)
  Bottom Layer w0.15: v1(2.6,21.7) 2.6,18.9 2.55,18.85 2.55,15.534 2.9,15.184 v1(2.9,14.3) v1(2.9,11.85) v1(2.9,9.55) ; v1(22.357,14.897) 22.36,14.9 23.25,14.9 25.35,12.8 25.35,3.46 J102.4@27.46,1.35
SET_CHRDY: R308.2 R314.1 U300.23 | length 2.9
  Top Layer w0.2: R314.1@55.247,7.525 R308.2@55.975,7.525 55.975,7.575 56.45,8.05 56.75,8.05 57,8.3 57.031,8.331 57.031,9.081 U300.23@57.05,9.1
SET_OVCH: R314.2 R315.1 U300.22 | length 3.9
  Top Layer w0.2: R315.1@53.625,7.525 R314.2@54.347,7.525 54.347,7.575 54.822,8.05 55.825,8.05 56.175,8.4 56.433,8.4 56.531,8.498 56.531,9.081 U300.22@56.55,9.1
SET_OVDIS: R305.2 R308.1 U300.24 | length 2.7
  Top Layer w0.2: R305.2@56.875,6.7 R308.1@56.875,7.525 56.875,7.575 57.55,8.25 U300.24@57.55,9.1
UART_RXD: J100.2 J101.4 U100.7 | length 28.2
  Top Layer w0.15: v1(13.8,13.85) 15.15,13.85 15.545,14.245 J101.4@16.199,14.245 16.824,13.62 17.728,13.62 18.03,13.923 20.3,13.923 20.523,13.7 23.233,13.7 23.823,13.11 24.077,13.11 24.312,12.875 27.434,12.875 27.955,12.355 27.955,12.07 U100.7@27.975,12.05
  Bottom Layer w0.15: v1(13.8,13.85) 13.8,1.45 J100.2@13.9,1.35
UART_TXD: J100.3 J101.5 U100.8 | length 29.3
  Top Layer w0.15: v1(13.05,13.45) 13.1,13.4 15.4,13.4 v1(15.5,13.5) 15.581,13.5 16.106,12.975 J101.5@16.199,12.975 ; v1(22.95,13.25) 23.05,13.25 23.49,12.81 23.953,12.81 24.188,12.575 27.159,12.575 27.31,12.575 27.468,12.418 27.468,12.237 27.475,12.23 U100.8@27.475,12.05
  GND2 w0.15: v1(15.5,13.5) 15.5,13.532 15.588,13.62 22.58,13.62 v1(22.95,13.25)
  Bottom Layer w0.15: J100.3@11.36,1.35 11.7,1.35 13.05,2.7 v1(13.05,13.45)
V_CAP: C200.2 C201.2 C202.2 C203.1 C204.1 C205.1 C206.1 J300.4 R106.2 R202.1 R203.1 U200.14 U201.7 U202.2 U300.16 | length 60
  Top Layer w0.2: R106.2@34.281,6.034 37.884,6.034 38.45,6.6 v1(39,6.6) U200.14@39.775,6.6 ; v1(39,9.9) 40.125,9.9 40.325,10.1 41.925,10.1 42.225,10.4 U202.2@42.225,11.2 ; v1(44.45,10.6) R203.1@44.45,11.3 46.55,11.3 C206.1@46.925,10.925 46.35,10.35 46.35,8.771 46.25,8.671 46.25,8.2 U201.7@46.225,8.175 ; v1(45.2,3.5) R202.1@45.7,3.5
  Top Layer w0.3: 45.75,11.35 45.75,12 46.15,12.4 50.575,12.4 ; C200.2@48.525,13.325 52.525,13.325 C202.2@52.55,13.3 52.55,12.4 ; C205.1@49.125,11.6 C204.1@50.825,11.6 50.575,11.85 50.575,12.4 ; C201.2@50.575,13.3 50.575,12.4 ; C203.1@52.437,11.6 52.55,11.712 52.55,12.4 ; C203.1@52.575,11.575 C203.1@52.818,11.818 ; U300.16@55.75,12.4 52.55,12.4 ; 50.575,12.4 52.55,12.4
  GND2 w0.2: v1(41.988,10.138) 44.038,10.138 44.45,10.55 v1(44.45,10.6) ; v1(45.2,3.5) v1(50.9,3.5)
  Bottom Layer w0.2: v1(39,6.6) v1(39,9.9) ; v1(50.9,12.4) v1(50.9,3.5) 50.9,1.42 J300.4@50.97,1.35
V_CAP_SENSE: R106.1 R107.1 U100.39 | length 2.6
  Top Layer w0.15: R107.1@33.323,6.9 R107.1@33.373,6.85 33.381,6.842 R106.1@33.381,6.034
  Top Layer w0.2: U100.39@31.625,6.9 R107.1@33.323,6.9
VBUCK: C304.1 J300.2 L301.2 R306.1 R307.1 R311.1 R312.1 R313.1 U300.3 U300.12 | length 38.3
  Top Layer w0.2: U300.12@57.55,13.7 57.55,14.6 v1(57.7,14.75) ; U300.3@60.35,10.9 62.636,10.9 63.036,11.3 L301.2@63.9,11.3 C304.1@63.9,12.325
  Top Layer w0.3: R306.1@59.575,16.05 v1(60.125,16.05) R307.1@60.675,16.05 ; L301.2@63.9,11.3 v1(64.8,11.3) ; R313.1@63.95,14.05 64.5,14.05 v1(64.6,14.05) ; R312.1@63.95,16.475 v1@64.6,16.475 ; R311.1@63.95,18.075 63.975,18.1 v1(64.6,18.1)
  GND2 w0.2: v1(57.7,14.75) 59,16.05 v1(60.125,16.05) 64.2,16.05 v1(64.6,16.45)
  Bottom Layer w0.2: J300.2@56.05,1.35 56.05,3.754 56.475,4.179 56.475,8.793 56.45,8.818 56.45,13.5 v1(57.7,14.75)
  Bottom Layer w0.3: v1(64.8,11.3) v1@64.8,18.1
VBUF_HIGH: R204.1 U200.8 | length 2.9
  Top Layer w0.2: U200.8@43.425,7.25 44.1,7.25 44.275,7.425 R204.1@44.275,9.375
VDDR: C105.1 C106.1 C107.1 L100.2 U100.45 U100.48 | length 22.3
  Top Layer w0.2: C105.1@26.6,3.65 L100.2@27.755,3.65 27.755,3.45 29.605,1.6 v1(32.9,1.6) ; U100.45@31.625,9.9 31.637,9.887 32.3,9.887 32.787,9.887 C106.1@32.8,9.875 ; U100.48@31.625,11.4 C107.1@32.75,11.4 32.825,11.475 32.825,11.96 32.917,12.052 33.202,12.052 v1(33.25,12.1)
  Bottom Layer w0.2: v1(32.3,9.9) 33.25,9.9 ; v1(32.9,1.6) 32.9,5.928 33.275,6.303 33.275,9.875 33.25,9.9 ; v1(33.25,12.1) 33.25,9.9
VDDS: C100.1 C101.1 C102.1 C103.1 C104.1 D100.1 FB100.2 R105.1 R108.1 U100.13 U100.22 U100.34 U100.44 | length 56.1
  Top Layer w0.2: D100.1@4.025,1.8 4.15,1.8 4.3,1.95 v1(4.3,2.4) ; R108.1@11.85,7.875 12.2,7.875 ; v1(12.1,8.6) 12.175,8.6 12.2,8.625 12.2,7.875 ; R105.1@12.55,7.875 12.2,7.875 ; v1(23.527,10.948) 23.574,10.996 23.574,11.349 C103.1@23.625,11.4 ; v1(23.55,8.575) 23.55,8.014 FB100.2@23.556,8.009 23.575,7.989 C100.1@23.575,6.925 23.587,6.912 24.812,6.912 U100.22@24.825,6.9 ; C104.1@23.6,12.325 23.612,12.312 23.612,11.412 C103.1@23.625,11.4 ; U100.13@24.825,11.4 C103.1@23.625,11.4 ; U100.34@29.975,5.25 29.995,5.23 29.995,4.705 30.515,4.185 30.765,4.185 C101.1@30.925,4.025 30.912,4.012 30.912,3.413 v1(30.9,3.4) ; U100.44@31.625,9.4 32.225,9.4 32.39,9.235 32.615,9.235 C102.1@32.775,9.075 32.8,9.05 v1(32.8,8.5)
  GND2 w0.2: v1(4.331,9.081) 4.375,9.125 9,9.125 9.525,8.6 v1(12.1,8.6) 12.243,8.6 12.268,8.625 12.393,8.5 21.928,8.5 22.003,8.425 22.668,8.425 22.818,8.575 v1(23.55,8.575) ; v1@23.537,8.638 23.625,8.725 32.575,8.725 v1(32.8,8.5)
  Bottom Layer w0.2: v1(4.3,2.4) 4.331,2.431 4.331,4.981 v1(4.331,9.081) ; v1(23.527,10.948) 23.538,10.937 23.538,8.587 v1(23.55,8.575) ; v1(30.9,3.4) 30.9,6.6 v1(32.8,8.5)
VSRC: J300.1 U1.1 U300.25 U300.26 | length 15.9
  Top Layer w0.2: U300.25@58.05,9.1 58.05,7.7 58,7.65 58,7.5 ; U300.26@58.55,9.1 58.55,8 58.3,7.75 58.25,7.75 58,7.5 ; U1.1@64.5,1 60.2,1 59.85,1.35 J300.1@58.59,1.35 58.6,1.36 58.6,3.2 58,3.8 58,7.5
pads on no net: J101.0 M1.0 M2.0 M3.0 SW100.1 SW100.4 SW101.1 SW101.4 U100.9 U100.10 U100.11 U100.30 U100.32 U100.41 U100.42 U100.43 U300.11 U300.19 U300.21 U400.3 U400.6 U400.9 U403.5 U405.2 U405.3 U405.9 U405.13 U405.15 U405.16

## Polygon pours and split planes (outlines as drawn)
HVOUT on Top Layer "TOP_HVOUT" (solid, pour order 3): 56.757,13.075 56.207,13.075 56.204,13.5 54.996,13.5 55.007,15.575 56.757,15.575
GND on Top Layer "TOP_GND" (solid, pour order 5): 0.25,25.7 65.25,25.7 65.25,0 0.25,0
VSRC on Top Layer "TOP_VSRC" (solid, pour order 1): 65.25,0 65.2,-0.05 57.25,-0.05 57.25,7.5 57.75,8 58.5,8 58.5,5.25 59.25,4.5 65.25,4.5
V_CAP on Top Layer "TOP_V_CAP" (solid, pour order 0): 45.25,14.25 45.25,10.5 53.096,10.5 53.5,10.5 53.5,12.15 55,12.15 55,12.75 54.05,12.75 54.062,14.25
+2.5V_LDO on Top Layer "TOP_+2.5V_LDO" (solid, pour order 4): 54.25,16.5 55.75,16.5 55.75,17.75 54.25,17.75
VBUCK on Top Layer "TOP_VBUCK" (solid, pour order 2): 61.75,11.5 61.75,10.65 65.2,10.65 65.2,12.75 63.139,12.75
GND on GND1 "L2_GND" (solid, pour order 7): 0.25,25.7 65.25,25.7 65.25,0 0.25,0
GND on GND2 "L3_GND" (solid, pour order 8): 0.25,25.7 65.25,25.7 65.25,0 0.25,0
GND on Bottom Layer "BOTTOM_GND" (solid, pour order 9): 0.25,25.7 65.25,25.7 65.25,0 0.25,0

## Other copper
Top Layer:
  pour cut-out: 24.8,5.3 24.8,12.1 31.7,12.1 31.703,12.097 31.703,5.3
  region net GND: 32.3,13.925 33.35,13.925 33.35,14.675 32.3,14.675
  region net GND: 31.65,16.65 31.65,15.6 32.4,15.6 32.4,16.65
  region net GND: 14.258,25.673 14.258,23.723 30.308,23.723 30.308,25.673
  region net GND: 31.6,25.7 31.6,23.75 47.65,23.75 47.65,25.7
  region net GND: 31.5,23.8 31.5,22.75 32.25,22.75 32.25,23.8
  region net GND: 31.65,26.5 31.65,25.45 32.4,25.45 32.4,26.5
  region net GND: 32.35,19 32.35,17.95 33.1,17.95 33.1,19
  text ".PCBNumberMiromico" at 65.1,20.4 h0.38 r90

## Silkscreen, mask and mechanical layers (free items; w line width, h text height)
Top Overlay:
  drawing of 9 lines, arcs and shapes, not listed
  text "MiroCard V2" at 33.7,20.2 h4
  text "GND" at 7.438,2.8 h0.5
  text "GND" at 42.8,0.2 h0.5
Mechanical 1:
  lines w0.1: 0,-1.8 2,-1.8 2,0 63.5,0 63.5,-1.8 63.8,-1.8 65.5,-1.8 65.5,0 65.5,34 0,34 0,0 0,-1.8
Route Tool Path (Mech6):
  lines w1.6: -0.8,3.2 -0.8,0.8 -0.8,-2.6 2.8,-2.6 2.8,-0.8 62.7,-0.8 62.7,-2.6 66.3,-2.6 66.3,0.8 ; -0.8,6.8 -0.8,34.8 4,34.8 ; 7.6,34.8 57.9,34.8 ; 61.5,34.8 66.3,34.8 66.3,6.8 ; 66.3,-0.8 66.3,3.2

## Text inside footprints (layer, text, board x,y; h text height)
D100: Top Overlay "1" at 3.8,2.1 h0.5 r180